# Allegro board TDI_KU5P_QSFP28_CXP_V001-20240805_1841.brd (continued)
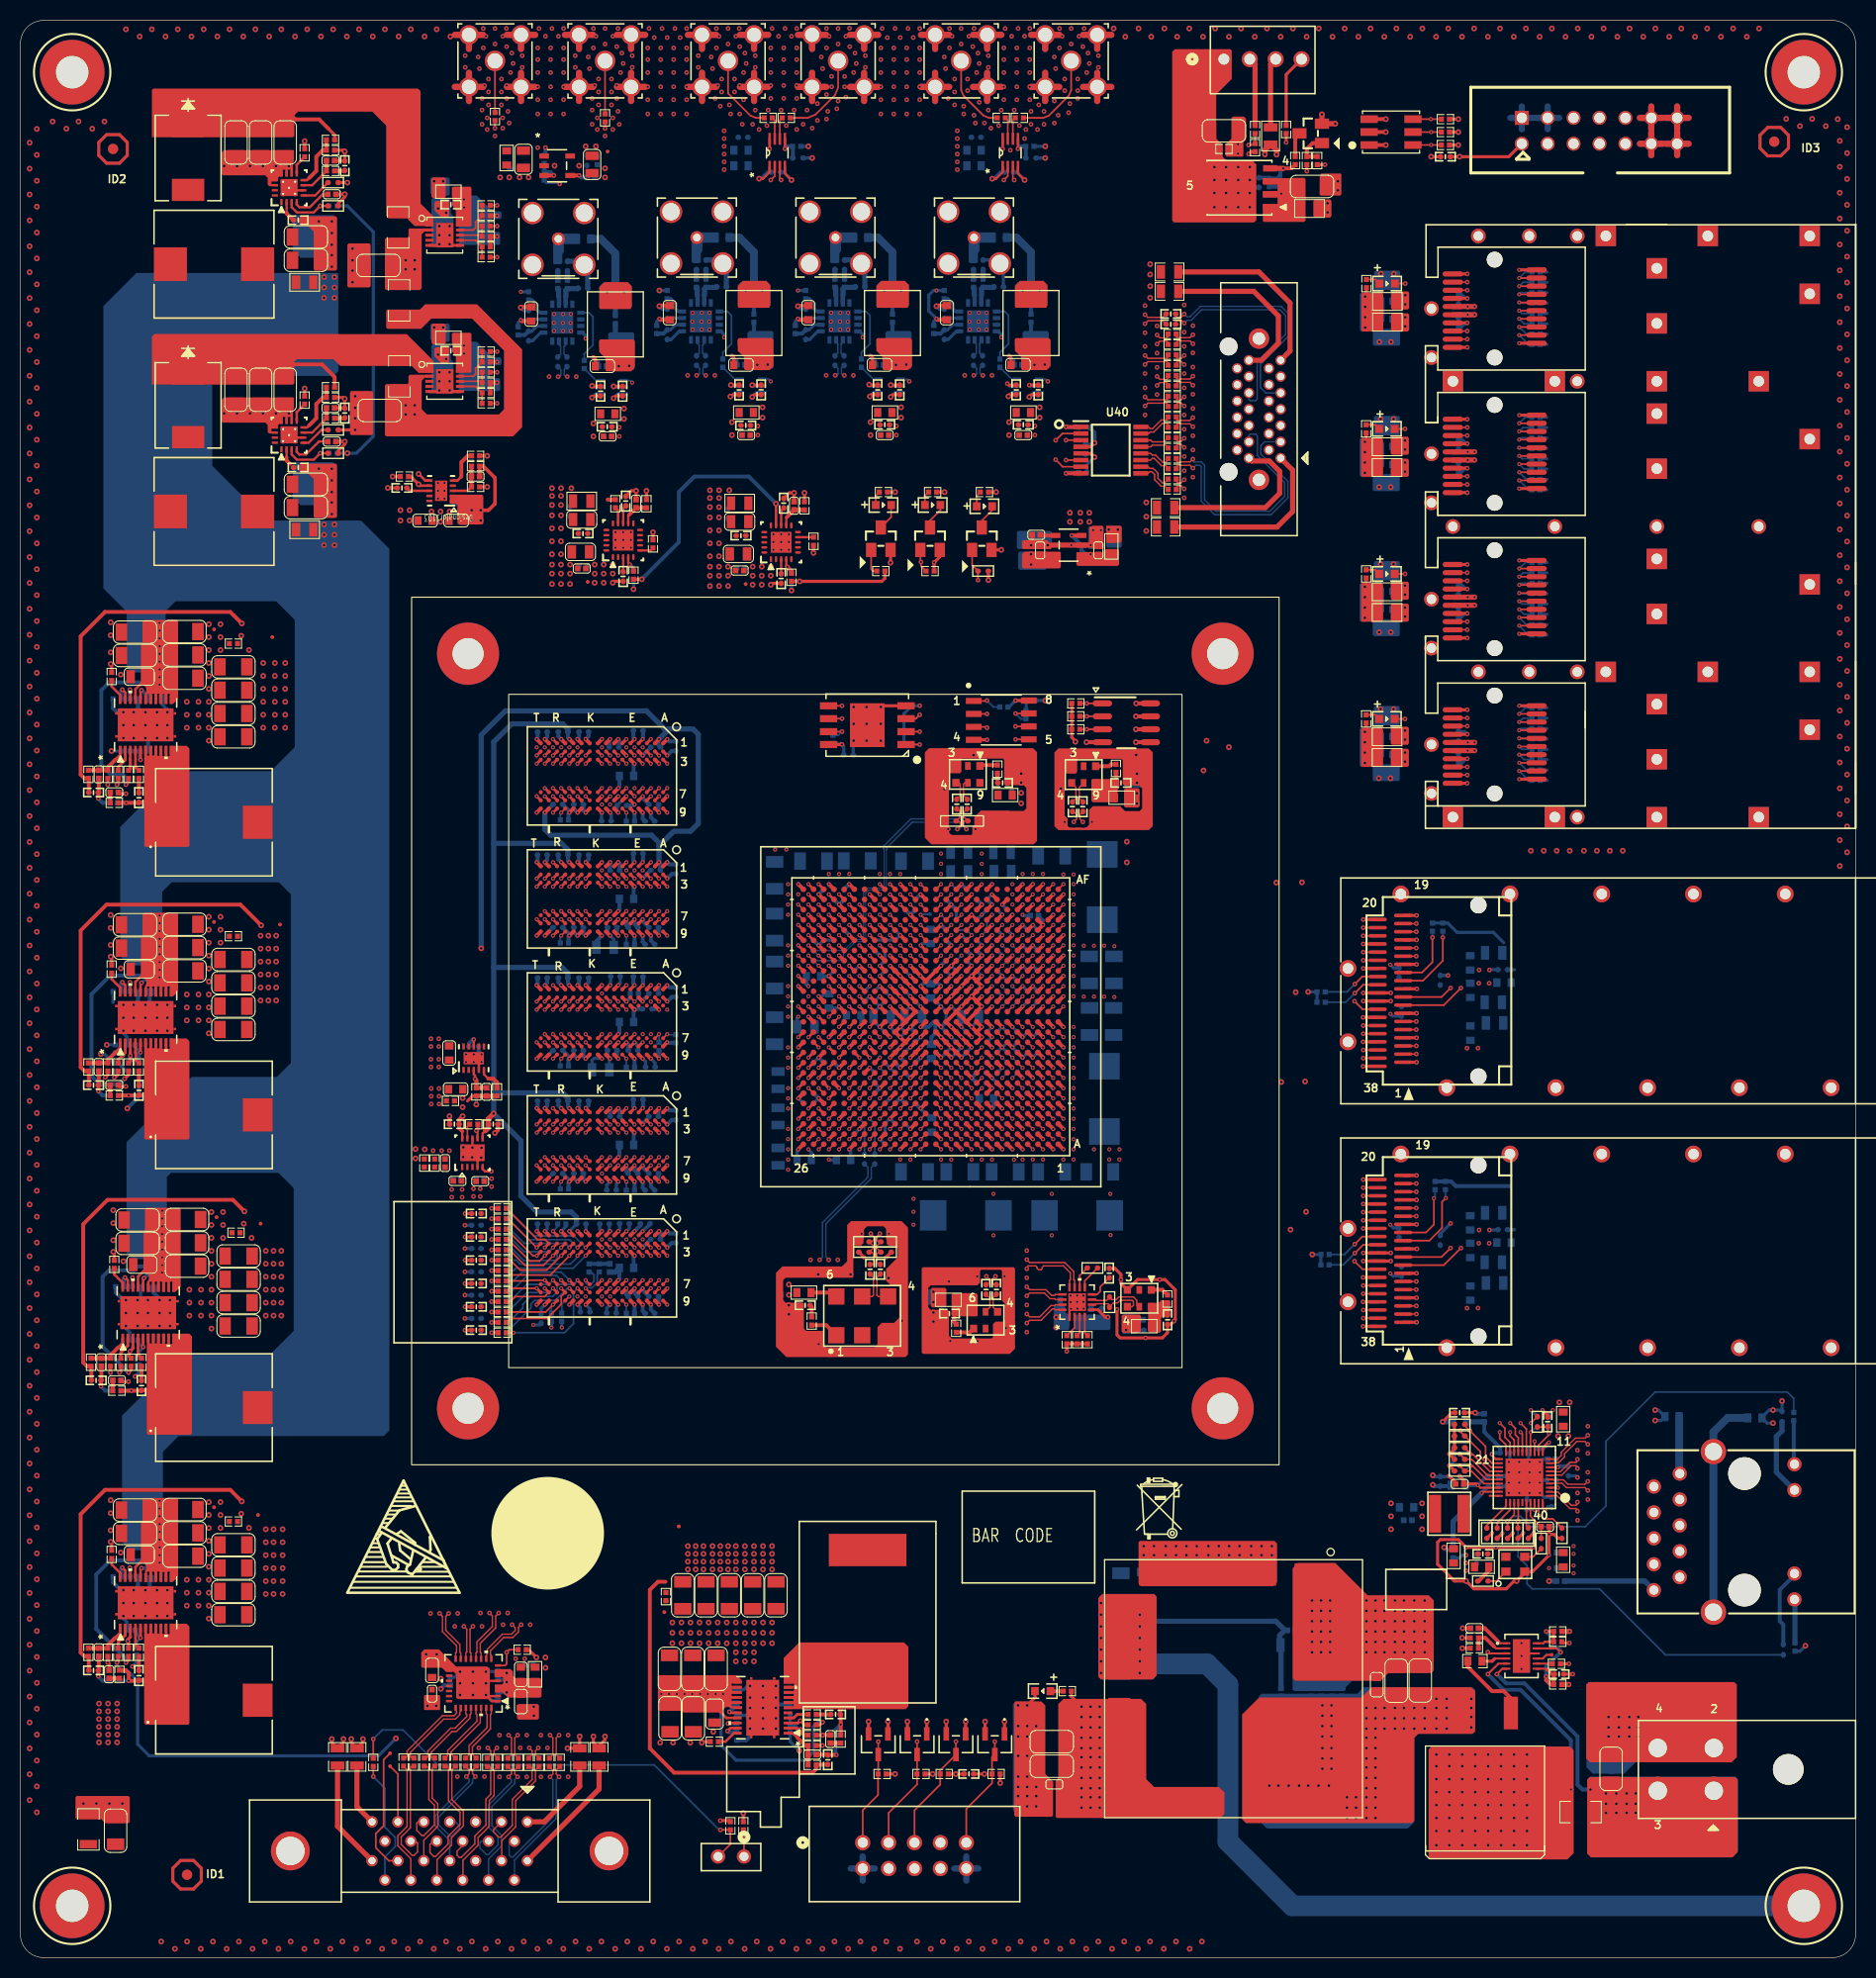
[diagram p0: board, top side]
## Placement (name value [footprint] x y rotation side) (continued)
C254  22uF  [C0603]  134.66 148.92 90 bottom
C255  0.1UF  [C0402_BGA]  141.04 148.41 90 bottom
C256  22uF  [C0603]  134.66 145.75 270 bottom
C257  0.1UF  [C0402_BGA]  141.04 146.12 270 bottom
C258  22uF  [C0603]  133.29 159.99 270 bottom
C259  0.1UF  [C0402_BGA]  133.29 163.04 90 bottom
C260  22uF  [C0603]  134.69 163.17 90 bottom
C261  0.1UF  [C0402_BGA]  141.04 162.66 90 bottom
C262  22uF  [C0603]  134.69 159.99 270 bottom
C263  0.1UF  [C0402_BGA]  141.04 160.38 270 bottom
C264  1UF  [C0603]  57.08 156.09 0 top
C265  1UF  [C0603]  70.67 156.21 0 top
C266  10nF  [C0402]  57.08 156.09 0 bottom
C267  1UF  [C0603]  50.1 161.2 270 top
C268  10nF  [C0402]  70.67 156.21 0 bottom
C269  1UF  [C0603]  63.69 161.33 270 top
C270  0.1UF  [C0402_BGA]  49.85 161.08 270 bottom
C271  0.1UF  [C0402_BGA]  72.66 153.76 90 top
C272  0.1UF  [C0402_BGA]  59.07 153.63 90 top
C273  0.1UF  [C0402_BGA]  56.9 153.64 270 top
C274  0.1UF  [C0402_BGA]  63.44 161.21 270 bottom
C275  0.1UF  [C0402_BGA]  70.49 153.76 270 top
C276  4.7UF  [C0402_BGA]  49.85 159.05 270 bottom
C277  4.7UF  [C0402_BGA]  63.44 159.17 270 bottom
C278  0.1UF  [C0402_BGA]  52.71 165.9 270 bottom
C279  0.1UF  [C0402_BGA]  52.72 156.51 270 bottom
C280  0.1UF  [C0402_BGA]  53.65 165.9 270 bottom
C281  0.1UF  [C0402_BGA]  53.61 156.51 270 bottom
C282  0.1UF  [C0402_BGA]  66.3 166.03 270 bottom
C283  0.1UF  [C0402_BGA]  66.31 156.63 270 bottom
C284  0.1UF  [C0402_BGA]  67.24 166.03 270 bottom
C285  0.1UF  [C0402_BGA]  67.19 156.63 270 bottom
C286  0.7pF  [C0402_BGA]  55.18 163.74 180 bottom
C287  0.7pF  [C0402_BGA]  68.77 163.87 180 bottom
C288  1UF  [C0603]  97.85 156.21 0 top
C289  1UF  [C0603]  84.26 156.21 0 top
C290  10nF  [C0402]  97.85 156.21 0 bottom
C291  1UF  [C0603]  90.86 161.33 270 top
C292  10nF  [C0402]  84.26 156.21 0 bottom
C293  1UF  [C0603]  77.28 161.33 270 top
C294  0.1UF  [C0402_BGA]  97.67 153.76 270 top
C295  0.1UF  [C0402_BGA]  90.61 161.21 270 bottom
C296  0.1UF  [C0402_BGA]  99.83 153.76 90 top
C297  0.1UF  [C0402_BGA]  86.24 153.76 90 top
C298  0.1UF  [C0402_BGA]  84.08 153.76 270 top
C299  0.1UF  [C0402_BGA]  77.02 161.21 270 bottom
C300  4.7UF  [C0402_BGA]  90.61 159.17 270 bottom
C301  4.7UF  [C0402_BGA]  77.02 159.17 270 bottom
C302  0.1UF  [C0402_BGA]  93.48 166.03 270 bottom
C303  0.1UF  [C0402_BGA]  93.48 156.63 270 bottom
C304  0.1UF  [C0402_BGA]  94.42 166.03 270 bottom
C305  0.1UF  [C0402_BGA]  94.37 156.63 270 bottom
C306  0.1UF  [C0402_BGA]  79.89 166.03 270 bottom
C307  0.1UF  [C0402_BGA]  79.89 156.63 270 bottom
C308  0.1UF  [C0402_BGA]  80.83 166.03 270 bottom
C309  0.1UF  [C0402_BGA]  80.78 156.63 270 bottom
C310  0.7pF  [C0402_BGA]  95.95 163.87 180 bottom
C311  0.7pF  [C0402_BGA]  82.36 163.87 180 bottom
C312  0.1UF  [C0402_BGA]  139.26 46.71 90 bottom
C313  10uF  [C0402]  141.16 46.46 180 top
C314  0.1UF  [C0402_BGA]  144.47 47.22 0 bottom
C315  0.1UF  [C0402_BGA]  149.8 52.55 90 top
C316  0.1UF  [C0402_BGA]  142.81 39.09 90 bottom
C317  0.1UF  [C0402_BGA]  143.45 39.6 180 top
C318  22uF  [C0603]  135.96 44.17 180 bottom
C319  10PF  [C0402]  149.55 42.27 0 top
C320  10nF  [C0402]  151.07 36.93 0 bottom
C321  10uF  [C0402]  136.08 42.9 180 bottom
C322  0.1UF  [C0402_BGA]  141.16 53.44 0 top
C323  10uF  [C0402]  151.07 38.2 180 bottom
C324  10uF  [C0402]  151.07 39.73 180 bottom
C325  0.1UF  [C0402_BGA]  150.18 44.68 90 bottom
C326  0.1UF  [C0402_BGA]  148.4 49.89 180 bottom
C327  10uF  [C0402]  150.18 48.87 180 bottom
C328  0.1UF  [C0402_BGA]  151.83 47.73 270 bottom
C329  0.1UF  [C0402_BGA]  150.18 46.84 180 bottom
C330  0.1UF  [C0402_BGA]  147.77 44.42 90 bottom
C331  10uF  [C0402]  140.53 39.6 270 bottom
C332  0.1UF  [C0402_BGA]  144.47 46.2 0 bottom
C333  10uF  [C0402]  143.58 52.93 90 bottom
C334  0.1UF  [C0402_BGA]  145.61 49.5 0 bottom
C335  1000PF  [C0402]  77.66 19.91 0 top
C336  0.1UF  [C0402_BGA]  79.95 23.85 0 top
C337  0.1UF  [C0402_BGA]  79.19 19.41 270 top
C338  4.7UF  [C0805]  68.08 23.89 270 top
C339  1UF  [C0603]  70.12 25.58 90 bottom
C340  100UF  [C1206]  74.11 35.53 270 top
C341  100UF  [C1206]  69.54 35.53 270 top
C342  100UF  [C1206]  71.82 35.53 270 top
C343  100UF  [C1206]  64.96 35.53 270 top
C344  100UF  [C1206]  67.25 35.53 270 top
C345  1000PF  [C0402]  79.44 21.44 270 top
C346  22UF  [C1206]  66 23.47 270 top
C347  22UF  [C1206]  65.95 28.32 90 top
C348  22UF  [C1206]  68.24 28.32 90 top
C349  22UF  [C1206]  63.66 28.32 90 top
C350  22UF  [C1206]  63.72 23.47 270 top
C351  0.1UF  [C0402_BGA]  75.5 24.36 90 bottom
C352  1000PF  [C0402]  7.69 116.05 270 top
C353  0.1UF  [C0402_BGA]  11.62 113.77 270 top
C354  0.1UF  [C0402_BGA]  7.18 114.27 180 top
C355  4.7UF  [C0805]  11.66 125.63 180 top
C356  1UF  [C0603]  13.22 123.47 0 bottom
C357  100UF  [C1206]  20.89 122.02 180 top
C358  100UF  [C1206]  20.89 126.59 180 top
C359  100UF  [C1206]  20.89 119.74 180 top
C360  100UF  [C1206]  20.89 124.31 180 top
C361  1000PF  [C0402]  9.21 114.27 180 top
C362  22UF  [C1206]  16.09 127.76 0 top
C363  22UF  [C1206]  11.24 130 180 top
C364  22UF  [C1206]  16.09 125.48 0 top
C365  22UF  [C1206]  11.24 127.71 180 top
C366  22UF  [C1206]  16.09 130.05 0 top
C367  0.1UF  [C0402_BGA]  53.91 141.83 270 bottom
C368  47uF  [C0805]  55.06 141.05 180 top
C369  0.1UF  [C0402_BGA]  55.18 139.67 180 top
C370  47uF  [C0805]  54.93 137.87 180 bottom
C371  47uF  [C0805]  54.93 137.87 180 top
C372  10uF  [C0402]  55.06 136.25 180 top
C373  0.1UF  [C0402_BGA]  59.12 135.46 90 top
C374  10uF  [C0402]  60.39 142.6 90 top
C375  0.1UF  [C0402_BGA]  59.38 142.85 90 top
C376  0.1UF  [C0402_BGA]  69.41 141.63 270 bottom
C377  47uF  [C0805]  70.55 140.84 180 top
C378  0.1UF  [C0402_BGA]  70.68 139.47 180 top
C379  47uF  [C0805]  70.42 137.67 180 top
C380  47uF  [C0805]  70.42 137.67 180 bottom
C381  10uF  [C0402]  70.55 136.04 180 top
C382  0.1UF  [C0402_BGA]  74.62 135.25 90 top
C383  10uF  [C0402]  75.89 142.39 90 top
C384  0.1UF  [C0402_BGA]  74.87 142.65 90 top
C385  1000PF  [C0402]  7.69 87.35 270 top
C386  0.1UF  [C0402_BGA]  11.62 85.06 270 top
C387  0.1UF  [C0402_BGA]  7.18 85.57 180 top
C388  4.7UF  [C0805]  11.66 96.93 180 top
C389  1UF  [C0603]  12.69 95.4 270 bottom
C390  100UF  [C1206]  20.89 95.61 180 top
C391  100UF  [C1206]  20.89 91.03 180 top
C392  100UF  [C1206]  20.89 97.89 180 top
C393  100UF  [C1206]  20.89 93.32 180 top
C394  1000PF  [C0402]  9.21 85.57 180 top
C395  22UF  [C1206]  11.24 101.3 180 top
C396  22UF  [C1206]  16.09 96.78 0 top
C397  22UF  [C1206]  16.09 101.35 0 top
C398  22UF  [C1206]  11.24 99.01 180 top
C399  22UF  [C1206]  16.09 99.06 0 top
C400  1000PF  [C0402]  7.69 29.95 270 top
C401  0.1UF  [C0402_BGA]  11.62 27.66 270 top
C402  0.1UF  [C0402_BGA]  7.18 28.17 180 top
C403  4.7UF  [C0805]  11.66 39.53 180 top
C404  1UF  [C0603]  12.69 37.87 270 bottom
C405  100UF  [C1206]  20.89 35.92 180 top
C406  100UF  [C1206]  20.89 33.63 180 top
C407  100UF  [C1206]  20.89 40.49 180 top
C408  100UF  [C1206]  20.89 38.2 180 top
C409  1000PF  [C0402]  8.7 27.79 270 top
C410  22UF  [C1206]  11.24 43.89 180 top
C411  22UF  [C1206]  16.09 43.94 0 top
C412  22UF  [C1206]  16.09 41.66 0 top
C413  22UF  [C1206]  11.24 41.61 180 top
C414  22UF  [C1206]  16.09 39.37 0 top
C415  1000PF  [C0402]  7.94 58.39 270 top
C416  0.1UF  [C0402_BGA]  11.88 56.11 270 top
C417  0.1UF  [C0402_BGA]  7.43 56.62 180 top
C418  4.7UF  [C0805]  11.92 67.97 180 top
C419  1UF  [C0603]  13.05 66.32 270 bottom
C420  100UF  [C1206]  21.4 61.95 180 top
C421  100UF  [C1206]  21.4 68.81 180 top
C422  100UF  [C1206]  21.4 64.24 180 top
C423  100UF  [C1206]  21.4 66.52 180 top
C424  1000PF  [C0402]  9.46 56.62 180 top
C425  22UF  [C1206]  16.35 67.82 0 top
C426  22UF  [C1206]  11.5 72.34 180 top
C427  22UF  [C1206]  11.5 70.06 180 top
C428  22UF  [C1206]  16.35 72.39 0 top
C429  22UF  [C1206]  16.35 70.11 0 top
C430  22uF  [C0603]  39.69 140.94 0 bottom
C431  22uF  [C0603]  39.69 140.94 0 top
C432  10nF  [C0402]  44.64 145.26 0 top
C433  22uF  [C0603]  42.74 140.94 180 top
C434  22uF  [C0603]  42.74 140.94 180 bottom
C435  22uF  [C0603]  42.05 88.72 270 top
C436  22uF  [C0603]  42.05 88.72 270 bottom
C437  10nF  [C0402]  45.74 84.91 270 top
C438  22uF  [C0603]  42.69 85.17 180 top
C439  22uF  [C0603]  42.69 85.17 180 bottom
C440  0.1UF  [C0402_BGA]  37.43 144.14 180 top
C441  0.1UF  [C0402_BGA]  44.47 89.36 0 bottom
C442  10uF  [C0402]  71.19 149.33 0 top
C443  0.1UF  [C0402_BGA]  71.14 150.27 0 top
C444  10uF  [C0402]  57.6 149.2 0 top
C445  0.1UF  [C0402_BGA]  57.55 150.15 0 top
C446  0.1UF  [C0402_BGA]  106.37 139.04 180 bottom
C447  10uF  [C0402]  105.73 138.02 90 top
C448  10uF  [C0402]  100.02 138.02 90 bottom
C449  10uF  [C0402]  100.02 138.02 90 top
C450  10nF  [C0402]  99.63 139.55 0 top
C451  10uF  [C0402]  84.78 149.33 0 top
C452  0.1UF  [C0402_BGA]  84.78 150.34 0 top
C453  10uF  [C0402]  98.36 149.33 0 top
C454  0.1UF  [C0402_BGA]  98.36 150.34 0 top
C455  0.1UF  [C0402_BGA]  48.45 175.49 0 bottom
C456  4.7UF  [C0805]  49.34 176.38 270 top
C457  4.7UF  [C0805]  56.07 175.87 270 top
C458  0.1UF  [C0402_BGA]  55.57 176.25 270 bottom
C459  10nF  [C0402]  55.95 174.6 180 bottom
C460  10nF  [C0402]  123.64 26.01 270 bottom
C461  10uF  [C1206]  132.53 27.15 90 bottom
C462  10uF  [C1206]  134.94 27.15 90 bottom
C463  1UF  [C0603]  133.04 26.77 270 top
C464  0.1UF  [C0402]  128.59 26.01 270 bottom
C465  1000PF  [C0402]  127.57 26.01 270 bottom
C466  10uF  [C1206]  137.3 27.18 90 top
C467  0.1UF  [C0402]  129.61 26.01 270 bottom
C468  10uF  [C1206]  101.16 18.77 180 top
C469  10uF  [C1206]  101.16 21.18 180 top
C470  0.1UF  [C0402]  101.41 16.99 0 top
C471  10nF  [C0402]  124.65 32.11 180 bottom
C472  1000pF  [C1206]  107.94 36.37 90 bottom
C473  10uF  [C1206]  156.02 18.52 90 top
C474  10nF  [C0402]  156.02 17.88 270 bottom
C475  10uF  [C1206]  137.3 27.18 90 bottom
C476  10uF  [C1206]  134.94 27.15 90 top
C477  0.1UF  [C0402]  126.56 26.01 270 bottom
C478  0.1UF  [C0402_BGA]  150.91 27.8 0 top
C479  47nF  [C0402]  142.61 32.31 180 top
C480  10uF  [C0402]  40.96 172.69 270 bottom
C481  10uF  [C0402]  42.36 171.93 180 bottom
C482  0.1UF  [C0402_BGA]  42.23 171.93 180 top
C483  10uF  [C1206]  28.26 165.96 90 bottom
C484  10uF  [C1206]  28.01 168.76 0 top
C485  10uF  [C1206]  28.01 166.47 0 top
C486  10uF  [C1206]  25.97 178.03 270 top
C487  10uF  [C1206]  21.15 178.03 270 top
C488  10uF  [C1206]  23.56 178.03 270 top
C489  10uF  [C1206]  35.12 165.96 180 top
C490  0.1UF  [C0402_BGA]  27.24 170.41 0 top
C491  47nF  [C0402]  30.55 172.95 180 top
C492  100PF  [C0402]  30.42 176.25 0 top
C493  0.1UF  [C0402_BGA]  31.82 175.74 90 top
C494  10uF  [C0402]  40.96 158.36 270 bottom
C495  10uF  [C0402]  42.36 157.6 180 bottom
C496  0.1UF  [C0402_BGA]  42.23 157.6 180 top
C497  10uF  [C1206]  35.25 151.74 180 top
C498  10uF  [C1206]  28.26 141.71 90 bottom
C499  10uF  [C1206]  28.01 142.21 0 top
C500  10uF  [C1206]  28.01 144.5 0 top
C501  10uF  [C1206]  23.56 153.77 270 top
C502  10uF  [C1206]  25.97 153.77 270 top
C503  10uF  [C1206]  21.15 153.77 270 top
C504  0.1UF  [C0402_BGA]  27.24 146.15 0 top
C505  47nF  [C0402]  30.55 148.69 180 top
C506  100PF  [C0402]  30.42 151.99 0 top
C507  0.1UF  [C0402_BGA]  31.82 151.49 90 top
C508  0.47UF  [C0402_BGA]  91.13 63.17 180 top
C509  0.47UF  [C0402_BGA]  90.31 63.91 270 bottom
C510  10uF  [C0402]  88.79 63.91 270 bottom
C511  0.47UF  [C0402_BGA]  96.33 115.21 0 top
C512  0.47UF  [C0402_BGA]  97.22 114.91 90 bottom
C513  10uF  [C0402]  98.92 114.86 90 bottom
C514  0.47UF  [C0402_BGA]  107.94 115.21 0 top
C515  0.47UF  [C0402_BGA]  110.28 114.71 90 bottom
C516  10uF  [C0402]  108.75 114.71 90 bottom
C517  0.47UF  [C0402_BGA]  112.51 62.56 270 top
C518  0.47UF  [C0402_BGA]  109.72 61.54 0 bottom
C519  10uF  [C0402]  109.72 62.56 0 bottom
C520  10uF  [C0402]  101.97 64.08 90 bottom
C521  10uF  [C0402]  105.02 63.2 90 bottom
C522  0.1UF  [C0402_BGA]  106.03 63.19 90 bottom
C523  0.1UF  [C0402_BGA]  106.79 67.13 270 top
C524  0.47UF  [C0402_BGA]  76.98 63.98 180 top
C525  0.47UF  [C0402_BGA]  76.14 64.62 270 bottom
C526  10uF  [C0402]  74.62 64.62 270 bottom
C527  0.1UF  [C0402_BGA]  104.46 147.93 270 bottom
C528  0.1UF  [C0402_BGA]  112.84 161.21 180 top
C529  0.1UF  [C0402_BGA]  112.84 160.2 180 top
C530  0.1UF  [C0402_BGA]  93.74 178.54 180 bottom
C531  0.1UF  [C0402_BGA]  96.97 175.11 0 bottom
C532  0.1UF  [C0402_BGA]  70.88 178.54 180 bottom
C533  0.1UF  [C0402_BGA]  74.11 175.11 0 bottom
C534  0.1UF  [C0402]  49.85 28.68 0 bottom
C535  1UF  [C0603]  40.38 28.17 90 top
C536  1UF  [C0603]  49.09 25.12 270 top
C537  1UF  [C0603]  49.09 27.79 90 top
C538  0.1UF  [C0402]  42.15 27.1 270 bottom
C539  0.1UF  [C0402]  46.85 27.66 270 bottom
C540  0.1UF  [C0402]  46.85 25.63 90 bottom
C541  0.1UF  [C0402]  40.38 25.88 90 top
C542  1000pF  [C1206]  9.34 12.45 90 top
C543  22UF  [C1206]  126.69 173.71 0 top
C544  0.1UF  [C0402_BGA]  123.51 174.22 90 bottom
C545  0.1UF  [C0402_BGA]  121.48 174.09 90 bottom
C546  22UF  [C1206]  118.05 179.17 0 top
D1  BAT54SLT1G  [SOT-23]  95.57 20.93 180 top
D2  BAT54SLT1G  [SOT-23]  91.76 20.93 180 top
D3  BAT54SLT1G  [SOT-23]  87.95 20.93 180 top
D4  BAT54SLT1G  [SOT-23]  84.14 20.93 180 top
D5  B540C-13-F  [SMC]  16.45 176.5 270 top
D6  B540C-13-F  [SMC]  16.45 152.25 270 top
DS1  SML-LX0603GW-TR  [LED_0603]  94.55 142.34 0 top
DS2  SML-LX0603GW-TR  [LED_0603]  89.47 142.47 0 top
DS4  SML-LX0603GW-TR  [LED_0603]  134.03 121.49 0 top
DS5  SML-LX0603GW-TR  [LED_0603]  134.03 135.71 0 top
DS6  SML-LX0603GW-TR  [LED_0603]  134.03 149.94 0 top
DS7  SML-LX0603GW-TR  [LED_0603]  134.05 164.19 0 top
DS8  SML-LX0603GW-TR  [LED_0603]  84.65 142.47 0 top
DS9  SML-LX0603GW-TR  [LED_0603]  100.27 26.14 180 top
J1  JTAG  [SBH11-PBPC-D05-ST-BK]  82.62 11.28 0 top
J2  -  [CON_2]  69.7 9.92 180 top
J3  CONN_14  [SBH11-PBPC-D07-ST-BK]  147.26 180.44 90 top
J4  FS1-Z38-20Z6-60  [QSFP_38]  135.63 62.32 90 top
J5  U95-T1Y1-100A  [CON_AMP_U95_T_1Y1_100A]  143 86.42 270 top
J6  FS1-Z38-20Z6-60  [QSFP_38]  135.63 87.82 90 top
J7  U95-T1Y1-100A  [CON_AMP_U95_T_1Y1_100A]  143 60.92 270 top
J8  034-1028-12G  [HD-BNC_5PIN]  52.76 168.57 180 top
J9  034-1028-12G  [HD-BNC_5PIN]  66.35 168.7 180 top
J10  034-1028-12G  [HD-BNC_5PIN]  93.53 168.7 180 top
J11  034-1028-12G  [HD-BNC_5PIN]  79.94 168.7 180 top
J12  KRJ-320DNL  [KRJ-320DNL_14P]  169.1 41.76 90 top
J13  -  [0039301040]  169.6 18.46 90 top
J14  -  [12226-1150-00FR]  121.48 151.87 270 top
J15  -  [RF2-04A-T-00-50-G]  92.27 186.03 180 top
J16  -  [RF2-04A-T-00-50-G]  57.34 186.03 180 top
J17  -  [RF2-04A-T-00-50-G]  103.06 186.03 180 top
J18  -  [RF2-04A-T-00-50-G]  46.55 186.03 180 top
J19  -  [RF2-04A-T-00-50-G]  69.41 186.03 180 top
J20  -  [RF2-04A-T-00-50-G]  80.2 186.03 180 top
J21  -  [10226-6212PC]  42.11 10.46 180 top
J22  -  [THS103J]  134.43 179.05 90 top
J63  -  [0022112042]  118.04 186.19 0 top
L1  BLM18SG121TN1D  [L0603]  89.35 88.87 90 bottom
L2  BLM18SG121TN1D  [L0603]  89.3 94.82 270 bottom
L3  BLM21SN300SN1D  [L0805]  96.28 108.41 180 bottom
L4  BLM21SN300SN1D  [L0805]  144.47 68.2 180 bottom
L5  BLM21SN300SN1D  [L0805]  144.5 73.05 180 bottom
L6  BLM21SN300SN1D  [L0805]  144.59 66.17 180 bottom
L7  BLM21SN300SN1D  [L0805]  144.47 93.7 180 bottom
L8  BLM21SN300SN1D  [L0805]  144.5 98.55 180 bottom
L9  BLM21SN300SN1D  [L0805]  144.59 91.67 180 bottom
L10  BLM21SN300SN1D  [L0805]  134.05 119.73 0 top
L11  BLM21SN300SN1D  [L0805]  134.05 117.7 0 top
L12  BLM21SN300SN1D  [L0805]  134.05 133.96 0 top
L13  BLM21SN300SN1D  [L0805]  134.05 131.93 0 top
L14  BLM21SN300SN1D  [L0805]  134.05 148.18 0 top
L15  BLM21SN300SN1D  [L0805]  134.05 146.15 0 top
L16  BLM21SN300SN1D  [L0805]  134.07 162.43 0 top
L17  BLM21SN300SN1D  [L0805]  134.07 160.4 0 top
L18  BLM15BX182SN1D  [L0402]  48.83 159.55 90 bottom
L19  BLM15BX182SN1D  [L0402]  62.42 159.68 90 bottom
L20  10uH  [1812PS]  58.35 160.19 270 top
L21  10uH  [1812PS]  71.94 160.31 270 top
L22  180nH  [L0603]  55.24 168.57 0 bottom
L23  180nH  [L0603]  68.83 168.7 0 bottom
L24  BLM15BX182SN1D  [L0402]  89.59 159.68 90 bottom
L25  BLM15BX182SN1D  [L0402]  76.01 159.68 90 bottom
L26  10uH  [1812PS]  85.53 160.31 270 top
L27  10uH  [1812PS]  99.12 160.31 270 top
L28  180nH  [L0603]  96.01 168.7 0 bottom
L29  180nH  [L0603]  82.42 168.7 0 bottom
L30  BLM18SG121TN1D  [L0603]  141.04 46.33 0 bottom
L31  BLM18SG121TN1D  [L0603]  143.32 38.33 0 top
L32  -  [NRS4018T2R2MDGJ]  140.15 43.54 0 top
L33  BLM18SG121TN1D  [L0603]  161.99 53.06 0 bottom
L34  BLM18SG121TN1D_DNP  [L0603]  170.12 52.93 180 bottom
L35  BLM18SG121TN1D  [L0603]  151.32 52.81 270 top
L36  BLM18SG121TN1D  [L0603]  151.32 39.02 90 top
L37  BLM18SG121TN1D  [L0603]  140.57 39.4 90 top
L38  BLM18SG121TN1D  [L0603]  141.16 52.55 0 bottom
L39  0.44UH  [PA0513_441NLT]  83.1 33.78 270 top
L40  0.56uH  [IHLP4040DZERR]  18.99 111.35 0 top
L41  BLM21SN300SN1D  [L0805]  55.06 142.85 0 top
L42  BLM21SN300SN1D  [L0805]  70.55 142.65 0 top
L43  0.56uH  [IHLP4040DZERR]  18.99 82.65 0 top
L44  0.56uH  [IHLP4040DZERR]  18.99 25.25 0 top
L45  0.56uH  [IHLP4040DZERR]  18.99 53.95 0 top
L46  BLM18SG121TN1D  [L0603]  71.2 151.54 180 top
L47  BLM18SG121TN1D  [L0603]  57.61 151.41 180 top
L48  BLM18SG121TN1D  [L0603]  107 138.4 270 top
L49  BLM18SG121TN1D  [L0603]  84.79 151.54 180 top
L50  BLM18SG121TN1D  [L0603]  98.38 151.54 180 top
L51  BLM18SG121TN1D  [L0603]  47.69 176.5 90 top
L52  BLM21SN300SN1D  [L0805]  27.88 164.31 180 top
L53  10uH  [74437368100]  18.99 166.09 180 top
L54  BLM18SG121TN1D  [L0603]  41.98 173.2 0 top
L55  BLM18SG121TN1D  [L0603]  41.98 158.87 0 top
L56  BLM21SN300SN1D  [L0805]  27.88 140.06 180 top
L57  10uH  [74437368100]  18.99 141.83 180 top
L58  BLM18SG121TN1D  [L0603]  91.02 64.52 180 top
L59  BLM18SG121TN1D  [L0603]  108.02 113.77 0 top
L60  BLM18SG121TN1D  [L0603]  96.59 114.02 0 top
L61  BLM18SG121TN1D  [L0603]  110.23 61.93 180 top
L62  BLM18SG121TN1D  [L0603]  103.24 62.31 0 bottom
L63  BLM18SG121TN1D  [L0603]  76.85 65.23 180 top
L64  BLM18SG121TN1D  [L0603]  93.54 177.27 0 bottom
L65  BLM18SG121TN1D  [L0603]  93.54 175.74 0 bottom
L66  BLM18SG121TN1D  [L0603]  70.68 177.27 0 bottom
L67  BLM18SG121TN1D  [L0603]  70.68 175.74 0 bottom
L68  BLM18SG121TN1D  [L0603]  50.49 27.79 270 top
L69  BLM21SN300SN1D  [L0805]  126.43 171.55 180 top
L70  BLM21SN300SN1D  [L0805]  122.62 178.66 270 top
MH1  MH_125_250  [MH_250H125]  5.08 5.08 0 top
MH2  MH_125_250  [MH_250H125]  174.92 5.08 0 top
MH3  MH_125_250  [MH_250H125]  174.92 184.92 0 top
MH4  MH_125_250  [MH_250H125]  5.08 184.92 0 top
NOREF  -  []  364.49 180.43 0 top
NOREF#2  -  []  246.14 138.89 0 top
NOREF#3  -  []  37.15 40.87 0 top
NOREF#4  -  []  363.91 235.24 0 top
NOREF#5  -  [unnamed#2]  9.08 177.39 0 top
NOREF#6  -  []  167.07 0 90 top
NOREF#7  -  [unnamed#2]  172.02 178.1 0 top
NOREF#8  -  []  439.13 58.98 0 top
NOREF#9  -  []  114.24 44.17 0 top
NOREF#10  -  []  0 114.59 0 top
NOREF#11  -  []  241.54 52.53 0 top
NOREF#12  -  []  51.76 41.76 0 top
NOREF#13  -  []  -14.92 -17.42 0 top
NOREF#14  -  []  98.87 41.25 0 top
NOREF#15  -  [unnamed#2]  16.35 8.13 0 top
NOREF#16  -  []  417.29 285.78 0 top
NOREF#17  -  [unnamed#2]  9.08 177.39 180 bottom
NOREF#18  -  [unnamed#2]  16.35 8.13 180 bottom
NOREF#19  -  [unnamed#2]  172.02 178.1 180 bottom
P1  UMAX7412401  [SFP_1X4_CAGE]  175.5 168.86 90 top
Q1  -  [NDS331N]  94.3 139.17 0 top
Q2  -  [NDS331N]  89.22 139.17 0 top
Q4  -  [NDS331N]  84.39 139.17 0 top
Q5  PSMN1R1-40BS  [PSMN1R1]  143.65 16.31 180 top
Q6  SI7145DP-T1-GE3  [POWERPAK_SO-8]  119.57 173.58 180 top
Q7  -  [NDS331N]  126.56 178.92 90 top
R1  0R  [R0402_BGA]  91.8 98.27 90 bottom
R2  4K7  [R0402_BGA]  92.8 99.29 270 bottom
R3  4K7  [R0402_BGA]  93.8 101.29 270 bottom
R4  1K  [R0402_BGA]  93.8 99.29 270 bottom
R5  1K  [R0402_BGA]  93.29 97.78 180 bottom
R6  499R  [R0402]  94.55 143.74 180 top
R7  1K  [R0402_BGA]  90.8 98.27 90 bottom
R8  1K  [R0402_BGA]  90.8 100.29 90 bottom
R9  4K7  [R0402_BGA]  94.43 135.99 180 top
R10  1K  [R0402_BGA]  90.8 104.29 90 bottom
R11  1K  [R0402_BGA]  92.3 104.78 0 bottom
R12  1K  [R0402_BGA]  94.8 102.29 270 bottom
R13  1K  [R0402_BGA]  94.8 100.27 270 bottom
R14  1K  [R0402_BGA]  91.8 101.29 270 bottom
R15  1K  [R0402_BGA]  92.8 101.29 90 bottom
R16  4K7  [R0402]  87.06 118.97 0 bottom
R17  4K7  [R0402]  87.06 121.51 0 bottom
R18  4K7  [R0402]  79.7 119.48 90 bottom
R19  4K7  [R0402]  84.52 18.01 0 top
R20  4K7  [R0402]  88.33 18.01 0 top
R21  4K7  [R0402]  90.62 18.01 0 top
R22  4K7  [R0402]  95.7 18.01 0 top
R23  499R  [R0402]  70.91 12.93 270 top
R24  4K7  [R0402]  96.46 122.66 180 bottom
R25  4K7  [R0402]  98.62 121.89 270 bottom
R26  4K7  [R0402]  69.64 12.93 90 top
R27  499R  [R0402]  89.47 143.74 180 top
R29  4K7  [R0402]  103.52 123.01 0 top
R30  4K7  [R0402]  103.52 121.74 0 top
R31  4K7  [R0402]  103.52 120.47 0 top
R32  1K  [R0402]  89.22 135.99 180 top
R34  1K  [R0402_BGA]  84.9 69.19 180 top
R35  1K  [R0402_BGA]  82.74 69.19 0 top
R36  1K  [R0402_BGA]  85.8 87.27 270 bottom
R37  1K  [R0402_BGA]  84.9 70.21 0 top
R38  1K  [R0402_BGA]  82.74 70.21 180 top
R39  240R  [R0402_BGA]  85.3 83.78 180 bottom
R40  1K  [R0402_BGA]  82.29 80.78 180 bottom
R41  1K  [R0402_BGA]  82.29 79.78 0 bottom
R42  1K  [R0402_BGA]  84.31 80.78 0 bottom
R43  1K  [R0402_BGA]  84.31 79.78 180 bottom
R44  1K  [R0402_BGA]  83.8 99.29 90 bottom
R45  1K  [R0402_BGA]  84.8 99.29 90 bottom
R46  240R  [R0402_BGA]  79.29 104.78 0 bottom
R47  240R  [R0402_BGA]  81.8 97.27 90 bottom
R48  100R  [R0402_BGA]  77.8 98.27 270 bottom
R49  1K  [R0402_BGA]  79.8 97.27 270 bottom
R50  1K  [R0402_BGA]  79.8 99.29 90 bottom
R51  1K  [R0402_BGA]  91.28 111.48 0 top
R52  1K  [R0402_BGA]  93.44 111.48 180 top
R53  1K  [R0402_BGA]  84.8 87.29 90 bottom
R54  240R  [R0402_BGA]  80.29 90.78 0 bottom
R55  100R  [R0402_BGA]  94.29 103.78 180 bottom
R56  499R  [R0402]  53.36 99.52 0 bottom
R57  240R  [R0402]  59.83 99.39 180 bottom
R58  499R  [R0402]  53.36 111.58 0 bottom
R59  240R  [R0402]  59.83 111.46 180 bottom
R60  1K  [R0402]  60.21 94.56 0 bottom
R61  1K  [R0402]  62.63 89.36 270 bottom
R62  1K  [R0402]  64.28 90.12 270 bottom
R63  499R  [R0402]  53.36 87.45 0 bottom
R64  499R  [R0402]  53.36 75.39 0 bottom
R65  240R  [R0402]  59.83 87.33 180 bottom
R66  240R  [R0402]  59.83 75.26 180 bottom
R67  39R2  [R0402]  47.26 63.32 0 top
R68  4K7  [R0402]  52.09 62.81 90 bottom
R69  4K7  [R0402]  53.1 71.96 180 bottom
R70  39R2  [R0402]  47.26 69.42 180 top
R71  39R2  [R0402]  47.26 64.34 180 bottom
R72  39R2  [R0402]  47.26 70.43 180 top
R73  39R2  [R0402]  47.26 65.35 180 bottom
R74  39R2  [R0402]  47.26 68.4 180 top
R75  39R2  [R0402]  47.26 63.32 180 bottom
R76  39R2  [R0402]  47.26 70.43 180 bottom
R77  39R2  [R0402]  47.26 64.34 180 top
R78  39R2  [R0402]  47.26 73.48 180 top
R79  39R2  [R0402]  47.26 66.37 180 top
R80  39R2  [R0402]  47.26 67.39 180 top
R81  39R2  [R0402]  47.26 72.47 180 top
R82  39R2  [R0402]  47.26 66.37 180 bottom
R83  39R2  [R0402]  47.26 65.35 180 top
R84  39R2  [R0402]  47.26 69.42 180 bottom
R85  39R2  [R0402]  47.26 62.31 180 top
R86  10K  [R0402]  40.63 77.93 270 top
R87  4K7  [R0402]  44.47 81.74 180 top
R88  39R2  [R0402]  47.26 71.45 180 bottom
R89  39R2  [R0402]  47.26 62.31 180 bottom
R90  39R2  [R0402]  47.26 61.29 180 top
R91  10K  [R0402]  39.61 77.93 270 top
R92  39R2  [R0402]  47.26 61.29 180 bottom
R93  39R2  [R0402]  47.26 72.47 180 bottom
R94  39R2  [R0402]  47.26 67.39 180 bottom
R95  39R2  [R0402]  47.26 73.48 180 bottom
R96  499R  [R0402]  53.1 62.81 270 bottom
R97  39R2  [R0402]  47.26 68.4 180 bottom
R98  240R  [R0402]  59.83 63.2 180 bottom
R99  39R2  [R0402]  47.26 71.45 180 top
R100  36R  [R0402]  55.77 67.64 90 bottom
R101  36R  [R0402]  56.78 67.64 90 bottom
R102  4K7  [R0402]  139.77 75.72 270 bottom
R103  4K7  [R0402]  138.75 75.72 270 bottom
R104  4K7  [R0402]  127.96 68.96 0 bottom
R105  4K7  [R0402]  127.96 67.94 0 bottom
R106  4K7  [R0402]  139.51 101.07 270 bottom
R107  4K7  [R0402]  138.5 101.07 270 bottom
R108  4K7  [R0402]  127.57 94.72 0 bottom
R109  4K7  [R0402]  127.57 93.7 0 bottom
R110  4K7  [R0402]  148.66 117.5 180 bottom
R111  4K7  [R0402]  148.66 120.55 180 bottom
R112  4K7  [R0402]  148.66 115.47 180 bottom
R113  4K7  [R0402]  148.66 116.48 180 bottom
R114  4K7  [R0402]  148.66 118.51 180 bottom
R115  4K7  [R0402]  148.66 119.53 180 bottom
R116  4K7  [R0402]  148.66 122.58 180 bottom
R117  4K7  [R0402]  148.66 121.56 180 bottom
R118  4K7  [R0402]  148.66 129.72 180 bottom
R119  4K7  [R0402]  148.66 130.73 180 bottom
R120  4K7  [R0402]  148.66 131.75 180 bottom
R121  4K7  [R0402]  148.66 132.76 180 bottom
R122  4K7  [R0402]  148.66 133.78 180 bottom
R123  4K7  [R0402]  148.66 134.8 180 bottom
R124  4K7  [R0402]  148.66 136.83 180 bottom
R125  4K7  [R0402]  148.66 135.81 180 bottom
R126  4K7  [R0402]  148.65 143.97 180 bottom
R127  4K7  [R0402]  148.65 144.98 180 bottom
R128  4K7  [R0402]  148.65 146 180 bottom
R129  4K7  [R0402]  148.65 147.02 180 bottom
R130  4K7  [R0402]  148.65 148.03 180 bottom
R131  4K7  [R0402]  148.65 149.05 180 bottom
R132  4K7  [R0402]  148.65 151.08 180 bottom
R133  4K7  [R0402]  148.65 150.06 180 bottom
R134  4K7  [R0402]  148.66 158.22 180 bottom
R135  4K7  [R0402]  148.66 159.23 180 bottom
R136  4K7  [R0402]  148.66 160.25 180 bottom
R137  4K7  [R0402]  148.66 161.26 180 bottom
R138  4K7  [R0402]  148.66 162.28 180 bottom
R139  4K7  [R0402]  148.66 163.3 180 bottom
R140  4K7  [R0402]  148.66 165.33 180 bottom
R141  4K7  [R0402]  148.66 164.31 180 bottom
R142  499R  [R0402]  131.99 121.49 270 top
R143  499R  [R0402]  131.99 135.71 270 top
R144  499R  [R0402]  131.99 149.94 270 top
R145  499R  [R0402]  132.02 164.19 270 top
R146  1K  [R0402]  58.35 160.66 270 bottom
R147  1K  [R0402]  71.94 160.78 270 bottom
R148  20K  [R0402]  49.84 162.98 90 bottom
R149  20K  [R0402]  63.43 163.11 90 bottom
R150  6R8  [R0402]  52.71 164.09 90 bottom
R151  82R  [R0402]  53.65 164.09 90 bottom
R152  6R8  [R0402]  66.3 164.22 90 bottom
R153  82R  [R0402]  67.24 164.22 90 bottom
R154  0R  [R0402]  55.3 156.25 270 bottom
R155  0R  [R0402]  68.89 156.38 270 bottom
R156  1K  [R0402]  99.12 160.78 270 bottom
R157  1K  [R0402]  85.53 160.78 270 bottom
R158  20K  [R0402]  90.61 163.11 90 bottom
R159  20K  [R0402]  77.02 163.11 90 bottom
R160  6R8  [R0402]  93.48 164.22 90 bottom
R161  82R  [R0402]  94.42 164.22 90 bottom
R162  6R8  [R0402]  79.89 164.22 90 bottom
R163  82R  [R0402]  80.83 164.22 90 bottom
R164  0R  [R0402]  96.07 156.38 270 bottom
R165  0R  [R0402]  82.48 156.38 270 bottom
R166  1K  [R0402_BGA]  148.78 52.55 90 bottom
R167  4K7  [R0402_BGA]  143.83 41.63 270 top
R168  0R  [R0402_BGA]  143.45 36.93 180 top
R169  0R  [R0402_BGA]  148.78 52.55 270 top
R170  100K  [R0402]  149.93 52.55 90 bottom
R171  0R  [R0402_BGA]  147.89 41.63 270 top
R172  2.49K  [R0402_BGA]  151.2 41.63 270 top
R173  0R  [R0402_BGA]  149.16 40.61 90 top
R174  1K  [R0402_BGA]  141.16 48.87 0 bottom
R175  4K7  [R0402_BGA]  141.16 48.87 180 top
R176  1K  [R0402_BGA]  141.16 50.01 0 bottom
R177  4K7  [R0402_BGA]  141.16 50.01 180 top
R178  1K  [R0402_BGA]  141.16 51.16 0 bottom
R179  4K7  [R0402_BGA]  141.16 51.16 180 top
R180  1K  [R0402_BGA]  141.16 47.73 180 top
R181  4K7  [R0402_BGA]  141.16 52.3 180 top
R182  1K  [R0402_BGA]  141.16 47.73 180 bottom
R183  4K7  [R0402_BGA]  144.85 41.63 270 top
R184  4K7  [R0402_BGA]  146.88 41.63 270 top
R185  499R  [R0402]  174.06 30.45 90 bottom
R186  1K  [R0402_BGA]  145.86 41.63 270 top
R187  0R  [R0402_BGA]  172.91 30.2 270 bottom
R188  0R  [R0402_BGA]  172.79 53.06 90 bottom
R189  499R  [R0402]  173.93 53.06 270 bottom
R190  10K  [R0402]  77.66 20.8 180 top
R191  4K12  [R0402]  77.66 18.9 180 top
R192  187K  [R0402]  68.07 21.18 0 top
R193  147K  [R0402]  70.27 21.72 90 bottom
R194  200K  [R0402]  70.27 23.37 90 bottom
R195  2R  [R0402]  77.66 23.85 0 top
R196  3K01  [R0402]  79.95 21.44 270 bottom
R197  2R  [R0402]  80.46 21.44 90 top
R198  200R  [R0402]  63.31 35.41 90 top
R199  100K  [R0402]  77.66 22.83 180 top
R200  20K  [R0402]  75.5 22.45 90 bottom
R201  10K  [R0402]  77.66 21.82 180 top
R202  10K  [R0402]  8.58 116.05 90 top
R203  15K  [R0402]  6.67 116.05 270 top
R204  187K  [R0402]  8.96 125.65 270 top
R205  120K  [R0402]  9.49 123.45 0 bottom
R206  200K  [R0402]  11.14 123.45 0 bottom
R207  0R  [R0402]  11.62 116.05 90 top
R208  3K01  [R0402]  9.08 113.26 180 bottom
R209  2R  [R0402]  9.21 113.26 0 top
R210  200R  [R0402]  20.89 128.88 0 top
R211  10K  [R0402]  12.13 118.34 180 bottom
R212  100K  [R0402]  10.61 116.05 90 top
R213  15K  [R0402]  10.35 118.34 180 bottom
R214  10K  [R0402]  60.14 135.59 90 bottom
R215  0R  [R0402]  58.36 142.6 270 top
R216  0R  [R0402]  60.14 135.59 90 top
R217  0R  [R0402]  61.41 142.6 90 top
R218  200R  [R0402]  55.18 136.5 0 bottom
R219  0R  [R0402]  62.04 138.66 90 top
R220  499R  [R0402]  84.65 143.74 180 top
R221  10K  [R0402]  75.63 135.38 90 bottom
R222  0R  [R0402]  75.63 135.38 90 top
R223  0R  [R0402]  76.9 142.39 90 top
R224  0R  [R0402]  84.39 135.99 0 top
R225  200R  [R0402]  70.68 136.3 0 bottom
R226  0R  [R0402]  77.79 138.91 270 top
R227  10K  [R0402]  8.58 87.35 90 top
R228  10K  [R0402]  6.67 87.35 90 top
R229  187K  [R0402]  8.96 96.95 270 top
R230  120K  [R0402]  9.49 94.74 0 bottom
R231  200K  [R0402]  11.14 94.74 0 bottom
R232  0R  [R0402]  11.62 87.35 90 top
R233  3K01  [R0402]  9.21 84.56 180 bottom
R234  2R  [R0402]  9.21 84.56 0 top
R235  200R  [R0402]  20.89 100.18 0 top
R236  10K  [R0402]  10.86 89.51 0 bottom
R237  100K  [R0402]  10.61 87.35 90 top
R238  10K  [R0402]  11.62 87.35 90 bottom
R239  10K  [R0402]  8.58 29.95 90 top
R240  19K6  [R0402]  6.67 29.95 270 top
R241  187K  [R0402]  8.96 39.54 270 top
R242  120K  [R0402]  9.49 37.34 0 bottom
R243  200K  [R0402]  11.14 37.34 0 bottom
R244  0R  [R0402]  11.62 29.95 90 top
R245  3K01  [R0402]  9.21 27.15 180 bottom
R246  2R  [R0402]  9.72 27.79 90 top
R247  200R  [R0402]  20.89 42.77 0 top
R248  10K  [R0402]  10.86 32.11 0 bottom
R249  100K  [R0402]  10.61 29.95 90 top
R250  19K6  [R0402]  11.39 30.07 270 bottom
R251  10K  [R0402]  8.83 58.39 90 top
R252  44K2  [R0402]  6.92 58.39 270 top
R253  0R  [R0402]  9.59 29.95 270 top
R254  187K  [R0402]  9.21 67.99 270 top
R255  0R  [R0402]  9.85 58.39 270 top
R256  120K  [R0402]  9.74 65.79 0 bottom
R257  200K  [R0402]  11.39 65.79 0 bottom
R258  0R  [R0402]  11.88 58.39 90 top
R259  3K01  [R0402]  9.46 55.6 180 bottom
R260  0R  [R0402]  9.34 89.13 90 bottom
R261  0R  [R0402]  9.59 87.35 270 top
R262  2R  [R0402]  9.46 55.6 0 top
R263  499R  [R0402]  21.15 71.09 180 top
R264  0R  [R0402]  10.61 87.35 90 bottom
R265  0R  [R0402]  9.34 87.35 270 bottom
R266  0R  [R0402]  9.59 116.05 270 top
R267  10K  [R0402]  11.12 60.55 0 bottom
R268  100K  [R0402]  10.86 58.39 90 top
R269  44K2  [R0402]  11.65 58.52 270 bottom
R270  4K7  [R0402]  44.64 147.29 180 top
R271  4K7  [R0402]  46.75 84.91 90 top
R272  6K04  [R0402]  44.64 146.28 180 top
R273  200R  [R0402]  42.99 142.6 0 bottom
R274  2K43  [R0402]  44.72 84.91 90 top
R275  499R  [R0402]  42.18 84.02 180 top
R276  10K7  [R0402]  44.64 144.25 0 top
R277  1K15  [R0402]  44.72 84.91 270 bottom
R278  1K  [R0402]  37.66 145.26 0 top
R279  200R  [R0402]  98.36 138.02 270 bottom
R280  0R  [R0402]  51.37 176.38 270 bottom
R281  0R  [R0402]  51.37 174.73 270 bottom
R282  10K  [R0402]  56.58 176.25 90 bottom
R283  5mR  [R1206]  110.35 36.37 270 bottom
R284  4K7  [R0402]  102.68 26.14 180 top
R285  5mR  [R1206]  153.02 14.27 0 top
R286  10R  [R0603]  142.66 29.07 0 top
R287  10K  [R0402]  150.66 28.82 0 top
R288  1M  [R0402]  150.79 26.79 0 top
R289  49K9  [R0402]  142.61 30.34 180 top
R290  680K  [R0402]  150.79 31.99 180 top
R291  4K99  [R0402]  142.61 31.36 0 top
R292  100K  [R0402]  150.79 30.98 0 top
R293  1M  [R0402]  150.15 30.85 90 bottom
R294  5mR  [R1206]  37.05 169.7 90 top
R295  187K  [R0402]  30.42 178.28 0 top
R296  4K7  [R0402]  45.68 167.79 180 top
R297  4K7  [R0402]  45.68 170.84 180 top
R298  0R  [R0402]  30.67 171.81 0 bottom
R299  4K7  [R0402]  45.68 168.81 180 top
R300  0R  [R0402]  45.68 171.86 0 top
R301  1K  [R0402_BGA]  30.67 171.81 180 top
R302  0R  [R0402]  45.68 169.82 0 top
